# Altium PCB 2CH_PM_Simulator.PcbDoc (part 3 of 4)
Units mm, origin at the board's own origin, x right, y up, seen from the top; angles counter-clockwise.
Board outline 222.37 x 100 mm, 4 copper layers (L1, P2, P3, L4), stack 1.512 mm thick; 245 components, 202 nets, 1071 pads, 517 vias.
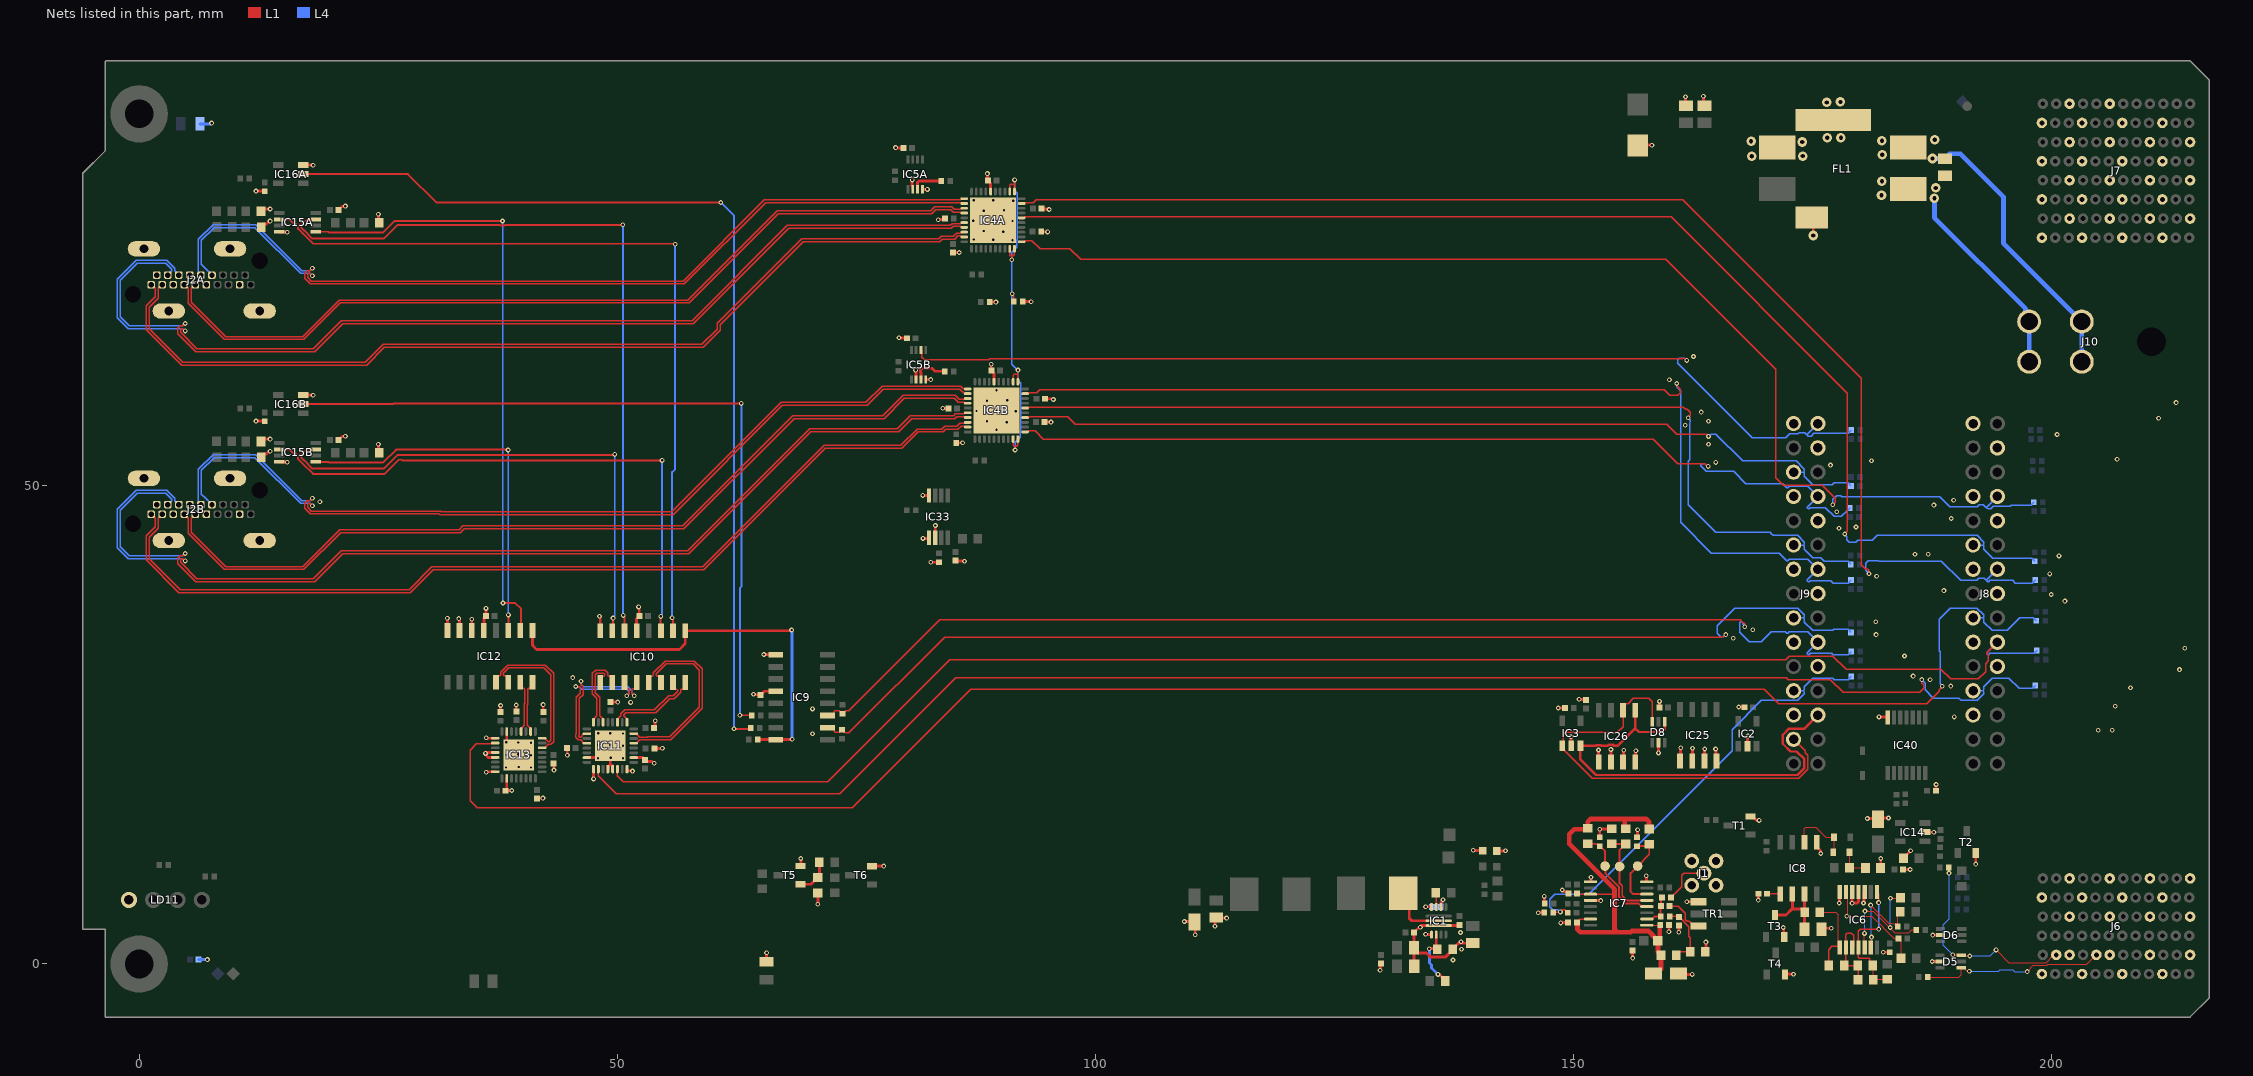
[diagram p5: the nets of this part, all layers, seen from the top]

## Via types
v1: diameter 0.5, hole 0.25, L1 to L4, tented both sides, 491 vias
v2: diameter 1, hole 0.45, L1 to L4, tented both sides, 26 vias

## Nets (pads, with @x,y where several pads share a name; then routed paths per layer and width w, separated by ;. In a path a pad name is that pad's centre, name@x,y a point inside that pad or via, vN(x,y) a via of type N, cw(c..) or ccw(c..) an arc to the next point about the centre after c; other vN are vias at no path point) (continued)
EEM_IO.LVDS_P2: IC4A.1 J8.8 R147.2 | length 128.1
  L1 w0.14: IC4A.1@92.281,75.525 92.574,75.525 92.674,75.625 93.358,75.625 94.205,74.778 97.333,74.778 98.437,73.674 159.658,73.674 171.12,62.212 171.12,50.854 171.914,50.059 173.57,50.059 173.58,50.068 174.901,50.068 174.91,50.059 175.976,50.059 177.339,48.696 177.339,48.293 177.101,48.056 v1(177.101,48.031)
  L4 w0.14: v1(177.101,48.031) 177.101,48.572 177.499,48.969 177.917,48.969 178.022,48.865 188.313,48.865 189.358,47.82 192.216,47.82 192.419,48.023 192.852,48.023 193.091,47.784 193.207,47.784 ; J8.8@194.313,48.89 193.207,47.784 ; R147.2@198.133,48.285 197.913,48.065 197.913,48.042 197.831,47.96 195.748,47.96 195.668,47.88 193.905,47.88 193.611,47.586 193.289,47.586 193.207,47.668 193.207,47.784
EEM_IO.LVDS_P3: IC4A.6 J8.11 R148.2 | length 132.3
  L1 w0.14: IC4A.6@92.281,78.025 92.574,78.025 92.674,78.125 160.203,78.125 178.638,59.69 178.638,45.491 178.607,45.46 178.607,45.244 178.346,44.983 v1(178.346,44.958)
  L4 w0.14: v1(178.346,44.958) 178.346,44.933 178.583,44.696 178.583,44.343 178.841,44.085 179.493,44.085 179.705,44.298 181.24,44.298 181.762,44.82 192.191,44.82 192.893,44.118 192.893,43.892 192.811,43.81 ; J8.11@191.773,43.81 192.811,43.81 ; R148.2@198.209,42.113 198.209,42.133 197.909,42.433 193.837,42.433 192.893,43.377 192.893,43.728 192.811,43.81
EEM_IO.LVDS_P4: IC4A.9 J8.14 R149.2 | length 138.7
  L1 w0.14: IC4A.9@92.281,79.525 92.574,79.525 92.674,79.625 93.508,79.625 93.811,79.928 161.397,79.928 180.086,61.239 180.086,41.74 180.563,41.263 180.76,41.263 180.867,41.156 180.867,40.821 v1(180.884,40.803)
  L4 w0.14: v1(180.884,40.803) 180.533,41.154 180.533,41.897 180.798,42.162 181.9,42.162 181.925,42.137 188.462,42.137 190.458,40.141 192.157,40.141 192.35,40.334 192.921,40.334 193.091,40.164 193.207,40.164 ; J8.14@194.313,41.27 193.207,40.164 ; R149.2@198.26,40.157 198.26,40.137 197.96,39.837 196.18,39.837 195.918,40.1 193.539,40.1 193.405,39.966 193.289,39.966 193.207,40.048 193.207,40.164
EEM_IO.LVDS_P5: IC13.10 J8.17 R150.2 | length 190.1
  L1 w0.14: IC13.10@37.237,23.106 36.893,23.106 36.794,23.006 35.258,23.006 34.625,22.373 34.625,17.052 35.365,16.312 74.579,16.312 86.97,28.702 169.951,28.702 171.454,27.199 179.556,27.199 179.566,27.208 186.949,27.208 188.26,28.519 188.26,28.679 188.557,28.977 v1(188.557,29.032)
  L4 w0.14: v1(188.557,29.032) 188.557,29.057 188.32,29.294 188.32,32.66 188.239,32.74 188.239,36.068 189.382,37.211 192.18,37.211 192.893,36.498 192.893,36.272 192.811,36.19 ; J8.17@191.773,36.19 192.811,36.19 ; R150.2@198.387,35.89 198.387,35.91 198.087,36.21 196.67,36.21 195.34,34.88 193.77,34.88 192.893,35.757 192.893,36.108 192.811,36.19
EEM_IO.LVDS_P6: IC11.14 J8.20 R151.2 | length 161.6
  L1 w0.14: IC11.14@50.014,20.381 50.014,19.666 50.6,19.08 72.006,19.08 84.752,31.826 172.207,31.826 172.56,32.179 177.117,32.179 178.486,30.81 188.417,30.81 189.427,29.8 192.315,29.8 193.083,30.567 193.083,31.393 193.377,31.687 193.377,32.258 193.207,32.428 193.207,32.544 J8.20@194.313,33.65
  L4 w0.14: J8.20@194.313,33.65 193.207,32.544 193.207,32.428 193.289,32.346 193.405,32.346 193.539,32.48 196.134,32.48 196.142,32.471 198.138,32.471 198.437,32.771 R151.2@198.437,32.791
EEM_IO.LVDS_P7: IC11.10 J8.23 R152.2 | length 163.2
  L1 w0.14: IC11.10@48.014,20.381 48.014,19.666 49.895,17.785 73.251,17.785 85.387,29.921 172.253,29.921 172.435,29.739 176.839,29.739 178.176,28.402 186.194,28.402 186.612,28.82 186.612,29.185 186.417,29.379 186.417,29.715 v1(186.4,29.733)
  L4 w0.14: v1(186.4,29.733) 186.778,29.355 186.778,28.651 187.629,27.799 190.277,27.799 190.516,27.56 192.191,27.56 192.893,28.262 192.893,28.488 192.811,28.57 ; J8.23@191.773,28.57 192.811,28.57 ; R152.2@198.26,29.134 198.26,29.114 197.96,28.814 196.588,28.814 195.522,29.88 193.77,29.88 192.893,29.003 192.893,28.652 192.811,28.57
EEM_IO.LVDS_P8: IC5B.6 J9.2 R5.2 | length 106.2
  L1 w0.14: IC5B.6@81.752,64.222 81.832,64.142 81.832,63.805 81.852,63.785 81.852,63.463 82.11,63.205 88.862,63.205 88.958,63.302 161.355,63.302 161.41,63.357 161.561,63.357 161.799,63.119 v1(161.823,63.119)
  L4 w0.14: v1(161.823,63.119) 161.799,63.119 161.561,63.357 161.037,63.357 160.9,63.22 160.9,62.819 168.694,55.025 172.207,55.025 172.62,55.439 173.446,55.439 173.58,55.573 174.151,55.573 174.321,55.403 174.437,55.403 ; J9.2@175.543,56.509 174.437,55.403 ; R5.2@179.032,55.829 179.032,55.809 178.732,55.509 176.777,55.509 176.767,55.499 175.135,55.499 174.841,55.205 174.519,55.205 174.437,55.287 174.437,55.403
EEM_IO.LVDS_P9: IC4B.4 J9.5 R6.2 | length 91.3
  L1 w0.14: IC4B.4@92.637,57.137 92.93,57.137 93.03,57.237 97.097,57.237 97.869,56.464 159.748,56.464 160.81,55.402 162.608,55.402 162.612,55.406 163.847,55.406 164.085,55.169 v1(164.109,55.169)
  L4 w0.14: v1(164.109,55.169) 164.134,55.169 164.371,55.406 164.522,55.406 164.527,55.402 164.867,55.402 167.67,52.599 173.261,52.599 174.123,51.737 174.123,51.511 174.041,51.429 ; J9.5@173.003,51.429 174.041,51.429 ; R6.2@179.006,49.987 179.006,50.007 178.707,50.307 177.247,50.307 177.059,50.119 175,50.119 174.123,50.996 174.123,51.347 174.041,51.429
EEM_IO.LVDS_P10: IC4B.1 J9.8 R7.2 | length 94.7
  L1 w0.14: IC4B.1@92.637,55.637 92.93,55.637 93.03,55.737 93.713,55.737 94.561,54.889 158.318,54.889 160.903,52.305 163.713,52.305 163.987,52.032 v1(164.084,52.032)
  L4 w0.14: v1(164.084,52.032) 163.987,52.032 163.713,52.305 163.395,52.305 163.313,52.223 163.313,52.096 163.876,51.533 166.721,51.533 168.018,50.237 171.867,50.237 172.294,49.81 172.41,49.81 172.56,49.959 174.473,49.959 J9.8@175.543,48.889 174.437,47.783 174.437,47.667 174.519,47.585 174.635,47.585 174.769,47.719 176.334,47.719 177.241,46.812 178.003,46.812 178.652,47.461 178.672,47.461 178.892,47.681 R7.2@178.892,47.701
EEM_IO.LVDS_P11: IC4B.6 J9.11 R156.2 | length 101
  L1 w0.14: IC4B.6@92.637,58.137 92.93,58.137 93.03,58.237 161.468,58.237 161.702,58.002 161.895,58.002 162.221,57.676 162.221,57.387 161.984,57.149 v1(161.984,57.125)
  L4 w0.14: v1@161.982,57.125 v1@161.982,57.193 ; v1(161.984,57.125) 161.984,57.1 162.221,56.863 162.221,56.685 162.131,56.594 162.131,52.72 161.982,52.571 161.982,48.025 164.883,45.124 170.547,45.124 170.688,44.983 170.852,44.819 173.421,44.819 174.123,44.117 174.123,43.891 174.041,43.809 ; J9.11@173.003,43.809 174.041,43.809 ; R156.2@178.994,41.783 178.994,41.803 178.694,42.103 176.222,42.103 175.826,42.499 175,42.499 174.123,43.376 174.123,43.727 174.041,43.809
EEM_IO.LVDS_P12: IC4B.9 J9.14 R157.2 | length 108
  L1 w0.14: IC4B.9@92.637,59.637 92.93,59.637 93.03,59.737 93.863,59.737 94.166,60.04 159.461,60.04 160.053,59.448 160.904,59.448 161.161,59.706 161.161,60.096 160.851,60.406 160.851,60.637 v1(160.782,60.706)
  L4 w0.14: v1(160.782,60.706) 160.803,60.685 160.803,60.357 161.214,59.947 161.214,46.17 164.416,42.967 171.517,42.967 172.294,42.19 172.41,42.19 172.56,42.339 174.473,42.339 J9.14@175.543,41.269 174.437,40.163 174.437,40.047 174.519,39.965 174.635,39.965 174.769,40.099 176.901,40.099 177.175,39.825 178.719,39.825 179.006,40.112 R157.2@179.006,40.132
EEM_IO.LVDS_P13: IC9.2 J9.17 R51.2 R158.2 | length 118.1
  L1 w0.14: IC9.2@71.966,24.714 72.441,24.714 72.671,24.484 72.671,24.311 72.772,24.21 72.993,24.21 72.997,24.206 73.221,24.206 73.488,24.473 R51.2@73.508,24.473 73.528,24.473 73.748,24.253 73.748,24.235 73.83,24.153 74.199,24.153 84.234,34.188 165.359,34.188 165.376,34.205 165.651,34.205 165.888,34.442 v1(165.913,34.442)
  L4 w0.14: v1(165.913,34.442) 165.888,34.442 165.651,34.205 165.386,34.205 165.03,34.56 165.03,35.363 166.866,37.199 173.421,37.199 174.123,36.497 174.123,36.271 174.041,36.189 ; J9.17@173.003,36.189 174.041,36.189 ; R158.2@179.006,34.671 179.006,34.691 178.719,34.978 177.203,34.978 177.104,34.879 175,34.879 174.123,35.756 174.123,36.107 174.041,36.189
EEM_IO.LVDS_P14: IC9.3 J9.20 R53.2 R159.2 | length 119
  L1 w0.14: IC9.3@71.966,25.984 72.384,25.984 72.614,26.214 72.614,26.387 72.696,26.469 73.236,26.469 73.318,26.387 73.318,26.369 73.538,26.149 R53.2@73.558,26.149 73.578,26.149 73.798,26.369 73.798,26.387 73.88,26.469 74.203,26.469 83.725,35.992 167.411,35.992 167.702,35.701 167.794,35.701 167.881,35.613 167.881,35.277 v1(167.899,35.26)
  L4 w0.14: v1(167.899,35.26) 167.899,35.357 167.696,35.56 167.696,35.707 167.614,35.789 167.498,35.789 167.385,35.676 167.385,34.689 168.36,33.715 169.631,33.715 170.656,34.74 172.124,34.74 172.294,34.57 172.41,34.57 172.56,34.719 174.473,34.719 J9.20@175.543,33.649 174.437,32.543 174.437,32.427 174.519,32.345 174.635,32.345 174.769,32.479 176.989,32.479 177.111,32.357 178.745,32.357 179.032,32.644 R159.2@179.032,32.664
EEM_IO.LVDS_P15: J9.23 R34.2 R41.2 R143.1 | length 48
  L1 w0.14: R41.2@147.892,5.385 v1@148.615,5.385 ; v1(148.615,5.442) 148.627,5.442 148.865,5.679 149.065,5.679 149.365,5.379 R34.2@149.365,5.359
  L4 w0.14: v1(148.615,5.442) 148.591,5.442 148.353,5.679 147.805,5.679 147.503,5.982 147.503,6.754 148.034,7.285 151.562,7.285 166.582,22.305 166.582,24.517 169.624,27.559 173.421,27.559 174.123,28.261 174.123,28.487 174.041,28.569 ; J9.23@173.003,28.569 174.041,28.569 ; R143.1@179.045,30.074 178.825,29.854 178.825,29.82 178.743,29.738 177.243,29.738 177.102,29.879 175,29.879 174.123,29.002 174.123,28.651 174.041,28.569
EN: IC9.16 IC10.1 IC12.1 R56.2 | length 45.5
  L1 w0.3: IC12.1@41.123,34.856 41.123,33.325 41.554,32.893 56.49,32.893 57.099,33.503 IC10.1@57.099,34.839 68.084,34.839 68.17,34.925 v1(68.224,34.925) ; R56.2@64.707,23.47 64.719,23.457 66.553,23.457 IC9.16@66.566,23.444 66.591,23.47 68.25,23.47 v1(68.275,23.495)
  L4 w0.3: v1(68.224,34.925) 68.25,34.9 68.25,23.52 v1(68.275,23.495)
EQ: IC4A.11 IC4A.12 IC4A.39 IC4A.40 IC4B.11 IC4B.12 IC4B.39 IC4B.40 R11.1 | length 41
  L1 w0.14: IC4A.39@91.031,74.775 91.031,74.123 91.113,74.041 91.264,74.041 ; IC4A.12@91.031,80.775 91.031,81.452 91.113,81.534 91.449,81.534 91.531,81.452 IC4A.11@91.531,80.775 91.536,80.78 91.536,81.986 v1(91.542,81.991) ; v1(91.237,73.635) 91.237,74.014 91.264,74.041 ; v1(91.288,70.079) 91.288,69.989 91.465,69.811 R11.1@91.465,69.291 ; IC4B.39@91.387,54.887 91.387,54.235 91.469,54.153 91.619,54.153 ; IC4B.12@91.387,60.887 91.387,61.564 91.469,61.646 91.805,61.646 91.887,61.564 IC4B.11@91.887,60.887 91.892,60.892 91.892,62.098 v1(91.897,62.103) ; IC4A.40@91.531,74.775 91.531,74.157 91.415,74.041 91.264,74.041 ; v1(91.592,53.746) 91.592,54.126 91.619,54.153 ; IC4B.40@91.887,54.887 91.887,54.269 91.77,54.153 91.619,54.153
  L4 w0.14: v1(91.542,81.991) 91.542,80.92 91.846,80.615 91.846,75.743 91.77,75.667 91.77,74.966 91.237,74.433 v1(91.237,73.635) 91.262,73.609 91.262,62.738 v1(91.897,62.103) 91.897,61.031 92.202,60.727 92.202,55.855 92.126,55.778 92.126,55.078 91.592,54.545 v1(91.592,53.746)
GA0: IC6.6 R46.2 R130.1 | length 11.1
  L1 w0.125: IC6.6@178.481,7.513 178.644,7.35 178.644,5.177 178.634,5.167 178.634,5.004 v1@178.644,4.994 ; v1(178.562,4.994) v1@178.644,4.994 ; R46.2@184.239,0.61 184.239,2.355 183.972,2.622 R130.1@183.972,2.642 183.947,2.667 183.495,2.667 182.354,3.807 182.354,3.829 181.19,4.994 v1@178.644,4.994
GA1: IC6.12 R2.2 R131.1 | length 14.4
  L1 w0.125: v1(180.416,3.2) 180.416,1.728 IC6.12@180.431,1.713 ; v1(180.467,5.527) 181.33,5.527 183.588,3.269 185.048,3.269 185.336,3.556 R131.1@185.839,3.556 ; v1(183.134,6.883) 184.137,6.883 R2.2@184.188,6.934
  L4 w0.125: v1(180.416,3.2) 180.442,3.226 180.442,5.502 v1(180.467,5.527) ; v1(183.109,3.81) 183.121,3.823 183.121,6.871 v1(183.134,6.883)
GA2: IC6.13 R30.2 R136.1 | length 9.9
  L1 w0.125: v1(181.058,6.155) 182.964,4.249 183.291,4.25 183.356,4.184 183.681,4.184 R136.1@183.909,3.957 ; IC6.13@181.081,1.713 181.153,1.784 v1(181.153,2.809) ; R136.1@183.909,3.937 R136.1@183.909,3.957 ; R30.2@184.163,5.461 183.909,5.207 R136.1@183.909,3.957
  L4 w0.125: v1(181.058,6.155) 181.101,6.112 181.101,2.861 v1(181.153,2.809)
GND: C1.1 C2.1 C3A.1 C3B.1 C4A.1 C4B.1 C5A.1 C5B.1 C6A.1 C6B.1 C7A.1 C7B.1 C8.1 C9A.1 C9B.1 C10.1 C11.1 C12.1 C13A.1 C13B.1 C14A.1 C14B.1 C15.1 C19.2 C20.1 C21.1 C22.1 C23.1 C24.1 C25.1 C26.1 C27.1 C28.1 C29.1 C30.1 C31.1 C32.1 C33.1 C34.1 C35.1 C36.1 C37.1 C40.1 C79.1 C80.1 C81.1 C82.1 C83.1 C84.1 C85.2 C86.1 C87.1 C102.2 C212.2 C219.1 C220.1 C245.1 C262.1 C263.1 C298.1 C306.1 C307.1 D5.2 D6.2 D8.2 D10.2 FL1.4 IC1.3 IC1.4 IC1.11 IC2.2 IC3.2 IC4A.16 IC4A.41 IC4B.16 IC4B.41 IC5A.2 IC5A.4 IC5B.2 IC5B.4 IC6.3 IC6.4 IC6.5 IC6.7 IC7.8 IC7.9 IC7.12 IC8.1 IC9.9 IC9.12 IC10.5 IC10.8 IC11.7 IC11.9 IC11.12 IC11.13 IC11.16 IC11.18 IC11.33 IC12.5 IC12.6 IC12.7 IC12.8 IC13.7 IC13.9 IC13.12 IC13.13 IC13.16 IC13.18 IC13.33 IC14.2 IC15A.4 IC15B.4 IC16A.3 IC16B.3 IC25.1 IC25.2 IC25.3 IC25.4 IC26.1 IC26.2 IC26.3 IC26.4 IC33.4 IC33.5 IC33.6 IC40.7 J1.2 J2A.2 J2A.5 J2A.8 J2A.11 J2A.17 J2A.SHIELD J2B.2 J2B.5 J2B.8 J2B.11 J2B.17 J2B.SHIELD J6.A2 J6.A4 J6.A6 J6.C1 J6.C5 J6.D2 J6.D4 J6.D6 J6.F1 J6.F5 J6.G2 J6.G4 J6.G6 J6.I1 J6.I5 J6.J2 J6.J4 J6.J6 J6.L1 J6.L5 J7.A2 J7.A4 J7.A6 J7.C1 J7.C3 J7.C5 J7.C7 J7.D2 J7.D4 J7.D6 J7.F1 J7.F3 J7.F5 J7.F7 J7.G2 J7.G4 J7.G6 J7.G8 J7.I1 J7.I3 J7.I5 J7.I7 J7.J2 J7.J4 J7.J6 J7.J8 J7.L1 J7.L3 J7.L5 J7.L7 J8.1 J8.4 J8.7 J8.10 J8.13 J8.16 J8.19 J8.22 J8.25 J9.1 J9.4 J9.7 J9.10 J9.13 J9.16 J9.19 J9.22 J9.25 LD4.1 LD5.1 LD11.1 R10.2 R11.2 R19A.1 R19B.1 R21A.1 R21B.1 R23A.1 R23B.1 R29.1 R41.1 R42.1 R45.2 R48.2 R50.2 R119.2 R126.2 R155.2 R194.1 T1.2 T2.2 T3.2 T4.2 T5.2 T6.2 TR1.6 | length 164
  L1 w0.3: v1(12.217,56.769) 12.227,56.76 13.123,56.76 C3B.1@13.132,56.751 ; v1(12.217,80.823) 12.227,80.814 13.123,80.814 C3A.1@13.132,80.805 ; R19B.1@12.739,54.638 12.991,54.889 v1(13.691,54.889) ; R19A.1@12.739,78.691 12.991,78.943 v1(13.691,78.943) ; R21B.1@12.765,52.968 12.765,53.018 13.065,53.318 13.329,53.318 13.635,53.625 v1(13.689,53.625) ; R21A.1@12.765,77.022 12.765,77.072 13.065,77.372 13.329,77.372 13.635,77.679 v1(13.689,77.679) ; IC15B.4@14.656,52.512 14.678,52.49 15.451,52.49 v1(15.473,52.469) ; IC15A.4@14.656,76.566 14.678,76.544 15.451,76.544 v1(15.473,76.522) ; IC16B.3@17.145,59.497 17.163,59.479 18.169,59.479 v1(18.186,59.461) ; IC16A.3@17.145,83.551 17.163,83.533 18.169,83.533 v1(18.186,83.515) ; C4B.1@20.839,54.788 21.207,55.156 21.526,55.156 v1(21.565,55.194) ; C4A.1@20.839,78.842 21.207,79.21 21.526,79.21 v1(21.565,79.248) ; v1(25.019,54.356) 25.019,53.564 R23B.1@25.109,53.473 ; v1(25.019,78.41) 25.019,77.617 R23A.1@25.109,77.527 ; IC12.8@32.233,34.856 v1(32.233,36.144) ; v1(33.426,36.119) 33.426,36.065 33.503,35.988 IC12.7@33.503,34.856 ; IC12.6@34.773,34.856 v1(34.773,36.043) ; IC12.5@36.043,34.856 36.043,36.188 C32.1@36.253,36.398 36.262,36.407 36.262,37.177 v1(36.271,37.186) ; v1(36.22,22.022) v1@36.259,21.984 ; v1(36.297,20.041) 36.351,20.041 36.416,20.106 IC13.16@37.237,20.106 ; v1(36.297,23.647) 36.351,23.647 36.393,23.606 IC13.9@37.237,23.606 ; v1@36.358,21.984 v1@36.259,21.984 ; v1@36.358,22.106 IC13.12@37.237,22.106 ; IC13.13@37.237,21.606 36.489,21.606 36.259,21.835 v1@36.259,21.984 ; C30.1@37.77,26.333 37.782,26.345 37.782,27.013 v1(37.795,27.026) ; C36.1@38.296,18.11 38.309,18.123 38.951,18.123 v1(38.964,18.136) ; C36.1@38.437,18.251 IC13.18@38.437,19.406 ; IC13.7@38.437,24.306 38.437,23.106 IC13.33@39.687,21.856 ; v1(39.421,27.076) 39.433,27.064 39.433,26.421 C31.1@39.446,26.409 ; C37.1@41.58,17.305 41.602,17.326 42.193,17.326 v1(42.215,17.348) ; v1(42.24,27.127) 42.253,27.114 42.253,26.345 C34.1@42.266,26.333 ; C24.1@43.332,20.969 43.358,20.944 43.358,20.295 v1(43.383,20.269) ; C27.1@44.737,22.581 44.758,22.559 44.758,21.84 v1(44.78,21.819) ; IC11.7@46.814,21.581 48.014,21.581 IC11.33@49.264,22.831 49.264,20.856 ; IC11.9@47.514,20.381 47.514,20.064 47.523,20.055 v1(47.523,19.355) ; v1(48.133,36.373) 48.133,36.319 48.209,36.242 IC10.8@48.209,34.839 ; IC11.12@49.014,20.381 49.014,20.681 49.089,20.681 49.264,20.856 ; C26.1@49.301,27.392 49.307,27.387 50.033,27.387 v1(50.038,27.381) ; IC11.13@49.514,20.381 49.514,20.681 49.339,20.856 49.264,20.856 ; IC11.16@51.014,20.381 51.014,20.206 51.549,20.206 v1(51.587,20.168) ; IC11.18@51.714,21.581 52.656,21.581 53.068,21.169 53.631,21.169 53.813,20.987 v1(53.867,20.987) ; IC10.5@52.019,34.839 52.019,36.119 C35.1@52.299,36.398 52.299,37.208 52.222,37.284 v1(52.222,37.338) ; C28.1@53.841,24.663 53.937,24.759 53.937,25.387 v1(53.975,25.425) ; C29.1@53.866,22.53 53.879,22.543 54.699,22.543 v1(54.712,22.555) ; v1(64.237,28.194) 64.275,28.156 64.928,28.156 C33.1@64.973,28.111 65.387,28.524 IC9.12@66.566,28.524 ; v1(65.329,32.36) 65.341,32.347 66.553,32.347 IC9.9@66.566,32.334 ; R119.2@65.583,0.239 65.608,0.264 v1(65.608,1.168) ; T5.2@69.164,10.236 69.19,10.262 v1(69.19,11.024) ; v1(70.968,6.248) C2.1@70.968,7.43 ; T6.2@76.639,10.221 76.646,10.229 77.843,10.229 v1(77.851,10.236) ; v1(79.096,85.369) 79.121,85.344 79.89,85.344 C9A.1@79.916,85.319 ; v1(79.451,65.481) 79.477,65.456 80.246,65.456 C9B.1@80.271,65.43 ; v1(80.836,81.991) 80.832,81.987 80.832,81.35 80.896,81.285 IC5A.2@80.896,81.01 ; v1(81.191,62.103) 81.191,62.049 81.252,61.988 IC5B.2@81.252,61.122 ; IC5A.4@81.896,81.01 81.896,81.005 82.418,81.005 v1(82.423,81.001) ; v1(81.94,48.997) 82.578,48.997 IC33.4@82.588,48.987 ; v1(81.966,44.501) 82.513,44.501 82.588,44.576 IC33.5@82.588,44.587 ; IC5B.4@82.252,61.122 82.252,61.117 82.774,61.117 v1(82.779,61.112) ; v1(82.779,42.012) 82.785,42.005 83.61,42.005 R194.1@83.617,41.999 ; IC33.6@83.238,44.587 83.249,44.599 83.249,45.835 v1(83.261,45.847) ; v1(83.566,77.826) 83.604,77.864 84.196,77.864 C14A.1@84.284,77.953 ; v1(84.023,58.115) 84.049,58.09 84.615,58.09 C14B.1@84.64,58.064 ; C7A.1@85.09,74.378 85.099,74.387 85.741,74.387 v1(85.75,74.397) ; C245.1@85.369,42.171 85.398,42.142 86.28,42.142 v1(86.309,42.113) ; C7B.1@85.446,54.49 85.455,54.499 86.097,54.499 v1(86.106,54.508) ; v1(88.697,82.652) 88.726,82.623 88.726,81.969 C5A.1@88.755,81.94 89.031,81.664 IC4A.16@89.031,80.775 ; R10.2@88.964,69.24 88.976,69.228 89.573,69.228 v1(89.586,69.215) ; v1(89.103,62.713) 89.107,62.709 89.107,62.056 C5B.1@89.11,62.052 89.387,61.776 IC4B.16@89.387,60.887 ; R11.2@92.405,69.291 92.431,69.266 93.243,69.266 v1(93.269,69.24) ; C13A.1@94.328,76.581 94.341,76.568 94.983,76.568 v1(94.996,76.556) ; C6A.1@94.379,78.994 94.443,78.931 95.11,78.931 v1(95.148,78.892) ; C13B.1@94.684,56.693 94.697,56.68 95.339,56.68 v1(95.352,56.667) ; C6B.1@94.735,59.106 95.475,59.106 95.551,59.03 v1(95.606,59.03) ; v1(109.296,4.445) 110.308,4.445 C85.2@110.363,4.39 110.439,4.313 v1(110.439,3.048) ; v1(112.497,3.937) 112.497,4.728 C84.1@112.624,4.855 112.678,4.801 v1(113.716,4.801) ; v1(129.769,-0.66) 129.807,-0.622 129.807,-0.005 C80.1@129.845,0.033 ; C83.1@133.31,1.702 133.31,1.527 C83.1@133.317,1.52 ; C83.1@133.317,1.702 C81.1@133.317,3.277 134.054,4.013 IC1.3@135.89,4.013 137.991,4.013 C86.1@138.074,4.097 ; C82.1@133.336,-0.254 133.317,-0.236 C83.1@133.317,1.52 ; v1(134.518,3.099) 134.536,3.081 135.14,3.081 IC1.4@135.14,3.063 ; v1(134.518,5.994) 134.534,5.979 135.14,5.979 IC1.11@135.14,5.963 ; C87.1@139.471,2.173 137.95,2.173 137.35,1.574 R155.2@137.35,1.524 137.35,1.474 136.623,0.747 135.007,0.747 134.603,1.152 133.685,1.152 C83.1@133.317,1.52 ; v1(139.497,11.887) 139.516,11.868 140.493,11.868 LD5.1@140.513,11.849 ; LD4.1@141.961,11.811 141.973,11.824 142.862,11.824 v1(142.875,11.836) ; v1(146.304,5.359) 146.317,5.372 146.939,5.372 R41.1@146.952,5.385 ; v1(146.939,7.061) 146.958,7.042 146.958,6.344 R42.1@146.977,6.325 ; v1(148.387,26.772) 148.399,26.759 149.1,26.759 C307.1@149.112,26.746 ; v1(148.666,4.293) 148.692,4.318 149.41,4.318 C21.1@149.435,4.343 ; v1(148.819,7.732) 148.873,7.732 149.053,7.551 149.301,7.551 C22.1@149.461,7.391 ; v1(149.733,23.774) 149.746,23.762 149.746,22.843 IC3.2@149.758,22.83 ; v1(150.571,27.686) 150.609,27.648 151.27,27.648 C220.1@151.308,27.61 ; IC7.12@151.761,6.65 152.812,6.65 v1(152.832,6.629) ; IC7.9@151.761,8.6 151.816,8.6 v1(151.816,9.068) ; v1(152.603,22.377) 152.616,22.365 152.616,21.138 IC26.1@152.629,21.125 ; R50.2@152.73,13.272 v1(152.73,14.097) 153.911,14.097 R48.2@153.975,14.16 ; IC26.2@153.899,21.125 v1(153.899,22.428) ; IC26.3@155.169,21.125 155.207,21.163 155.207,22.314 v1(155.245,22.352) ; C23.1@156.159,1.404 156.172,1.392 156.172,0.622 v1(156.185,0.61) ; IC26.4@156.439,21.125 156.477,21.163 156.477,22.263 v1(156.515,22.301) ; R45.2@156.642,13.259 156.667,13.284 156.667,14.021 v1(156.693,14.046) ; D10.2@156.718,85.582 156.76,85.623 v1(158.191,85.623) ; v1(157.607,9.215) 157.607,8.6 IC7.8@157.661,8.6 ; v1(158.877,22.073) D8.2@158.877,23.132 ; v1(158.979,27.457) 158.982,27.454 158.982,26.801 C219.1@158.986,26.797 ; C20.1@159.962,4.064 159.966,4.06 159.966,3.382 v1(159.969,3.378) ; C19.2@160.964,-1.016 161.041,-1.092 v1(162.408,-1.092) ; v1(160.985,3.327) 161.011,3.353 161.011,3.995 C15.1@161.036,4.02 ; IC25.1@161.138,21.227 161.167,21.256 161.167,22.577 v1(161.196,22.606) ; v1(161.696,90.678) 161.696,89.794 C262.1@161.739,89.751 ; v1(161.849,6.502) TR1.6@163.068,6.502 ; IC25.2@162.408,21.227 162.42,21.24 162.42,22.543 v1(162.433,22.555) ; v1(163.576,90.729) 163.576,89.864 C263.1@163.689,89.751 ; IC25.3@163.678,21.227 163.69,21.24 163.69,22.466 v1(163.703,22.479) ; R29.1@163.779,1.295 163.83,1.346 v1(163.83,2.286) ; v1(164.846,22.479) 164.884,22.441 164.884,21.29 IC25.4@164.948,21.227 ; v1(167.259,26.873) 167.272,26.86 167.863,26.86 C306.1@167.876,26.848 ; IC2.2@168.173,22.779 168.199,22.805 168.199,23.8 v1(168.224,23.825) ; T1.2@168.511,15.428 168.711,15.428 169.089,15.05 169.354,15.05 v1(169.393,15.011) ; v1(169.316,6.68) C11.1@169.316,7.341 ; v1(171.933,3.81) 171.971,3.772 171.971,2.861 T3.2@172.019,2.812 ; T4.2@172.095,-1.125 172.153,-1.067 v1(172.999,-1.067) ; FL1.4@174.906,78.06 175.057,77.909 v2(175.057,76.175) ; IC8.1@175.412,12.733 175.412,12.258 175.806,11.864 175.806,11.595 v1(175.844,11.557) ; C8.1@175.931,3.632 176.033,3.734 v1(176.936,3.734) ; v1(177.775,6.375) 177.803,6.404 177.803,7.484 IC6.7@177.831,7.513 ; v1(179.121,6.35) v1@179.126,6.355 ; IC6.5@179.131,7.513 179.126,7.507 v1@179.126,6.355 ; IC6.4@179.781,7.513 179.781,6.5 179.669,6.388 179.159,6.388 v1@179.126,6.355 ; v1(180.315,6.375) 180.315,6.43 180.356,6.471 180.356,7.438 IC6.3@180.431,7.513 ; v1(180.721,15.215) 181.767,15.215 C102.2@181.839,15.143 181.961,15.265 v1(182.931,15.265) ; v1(181.94,25.832) 182.814,25.832 IC40.7@182.86,25.785 ; C12.1@182.105,10.033 182.118,10.046 v1(182.118,11.024) ; v1(182.372,1.219) 182.376,1.223 183.054,1.223 C1.1@183.058,1.226 ; C10.1@184.448,9.881 v1(185.191,9.881) ; C40.1@184.518,11.074 184.518,11.099 185.242,11.823 v1(185.242,11.836) ; IC14.2@186.745,13.792 186.758,13.779 187.667,13.779 v1(187.679,13.767) ; v1(187.503,0.254) D5.2@188.333,0.254 ; v1(187.554,3.023) D6.2@188.384,3.023 ; C298.1@187.877,18.11 187.893,18.126 187.893,18.754 v1(187.909,18.771) ; v1(192.049,10.439) 192.055,10.445 192.055,11.596 T2.2@192.06,11.601